# KiCad board poly_kb_wave_right2.kicad_pcb (continued)
## Routing (per net, layer and track width the routed paths; a pad name or vN(x,y) marks a point on that pad's centre or on a via; arc(x,y) is an arc through that point) (continued)
/K_B7/C2N: length 6.1
  Bottom w0.3: J36.3 155.9,38.19 155.53,37.81 153.14,37.81 152.02,38.92 C5_36.2
/K_B7/C2P: length 4.3
  Bottom w0.3: C5_36.1 152.98,38.73 153.43,38.28 155.36,38.28 155.4,38.33 J36.2
/K_B7/CS: length 88.5
  Top w0.3: v2(158.22,39.97) 165.84,39.97 v2(166.6,39.21) ; v2(94.81,24.49) 146.49,24.49 150.5,28.5 150.5,35.1 152.6,37.2 v2(157.4,37.2)
  In1.Cu w0.3: v2(158.22,39.97) 157.4,39.15 v2(157.4,37.2)
  Bottom w0.3: v2(94.81,24.49) 94.39,24.07 U8.7 ; R1_36.2 v2(166.6,39.21) ; J36.8 158.4,39.78 v2(158.22,39.97)
/K_B7/LED_DIN: length 188.1
  Top w0.3: v2(167.67,39.1) 167.72,39.1 166.03,40.79 LED36.4 ; LED22.2 39.13,51.8 36.6,53.35 32.77,52.43 32.75,52.43 v2(31.22,50.91)
  In1.Cu w0.3: v2(31.22,50.91) 31.06,50.74 31.06,49.67 33.92,46.81 36.46,36.91 47.32,26.04 55.68,26.04 58.38,23.34 84.72,23.34 87.02,25.65 107.16,25.65 111.56,21.25 162.44,21.25 167.67,26.47 v2(167.67,39.1)
/K_B7/VCOMH: length 5.2
  Bottom w0.3: C4_36.1 164.06,42.06 162.78,40.78 162,40.78 160.9,39.68 J36.13
/K_B8/C1N: length 5.3
  Bottom w0.3: J29.5 15.02,45.21 13.73,45.81 11.42,44.97 C6_29.2
/K_B8/C1P: length 5.9
  Bottom w0.3: C6_29.1 10.07,44.53 10.71,44.23 13.71,45.32 14.59,44.91 J29.4
/K_B8/C2N: length 6.1
  Bottom w0.3: J29.3 14.62,43.37 14.39,42.89 12.15,42.07 10.72,42.74 C5_29.2
/K_B8/C2P: length 4.3
  Bottom w0.3: C5_29.1 11.69,42.88 12.26,42.61 14.07,43.27 14.1,43.33 J29.2
/K_B8/CS: length 99.4
  Top w0.3: v2(16.18,45.84) 23.35,48.45 v2(24.32,47.99)
  In1.Cu w0.3: v2(24.32,47.99) 30.27,42.04 v2(38.8,16.91)
  Bottom w0.3: R1_29.2 v2(24.32,47.99) ; v2(38.8,16.91) 40.49,15.22 42.58,14.48 55.9,17.81 86.16,17.81 89.35,21 89.35,21.81 ; v2(16.18,45.84) 16.42,45.73 J29.8
/K_B8/VCOMH: length 5.2
  Bottom w0.3: C4_29.1 20.96,49.8 20.2,48.16 19.46,47.89 18.81,46.49 J29.13
/K_B/C1N: length 5.3
  Bottom w0.3: J27.5 137.85,58.82 136.85,59.83 134.39,59.83 C6_27.2
/K_B/C1P: length 5.9
  Bottom w0.3: J27.4 137.35,58.69 136.66,59.38 133.48,59.38 132.97,59.88 C6_27.1
/K_B/C2N: length 6.1
  Bottom w0.3: C5_27.2 132.97,57.97 134.09,56.86 136.48,56.86 136.85,57.24 J27.3
/K_B/C2P: length 4.3
  Bottom w0.3: C5_27.1 133.93,57.78 134.38,57.33 136.31,57.33 136.35,57.38 J27.2
/K_B/CS: length 79.1
  Top w0.3: v2(139.17,59.02) 146.79,59.02 v2(147.55,58.26)
  In1.Cu w0.3: v2(130.5,29.31) 130.5,55.8 133.72,59.02 v2(139.17,59.02)
  Bottom w0.3: R1_27.2 v2(147.55,58.26) ; v2(139.17,59.02) 139.35,58.83 J27.8 ; 102.15,24.16 102.15,24.93 105.1,27.88 112.33,27.88 113.68,26.53 127.73,26.53 v2(130.5,29.31)
/K_B/LED_DIN: length 22.2
  Top w0.3: LED28.2 161.27,58.06 159.17,60.16 154.02,60.16 153.33,59.47 147.36,59.47 146.99,59.84 LED27.4
/K_B/LED_DOUT: length 17.8
  Top w0.3: LED27.2 137.45,58.06 135.36,60.16 129.87,60.16 127.8,62.23 LED26.4
/K_B/VCOMH: length 5.2
  Bottom w0.3: J27.13 141.85,58.73 142.95,59.83 143.73,59.83 145.01,61.11 C4_27.1
/K_C/C1N: length 5.3
  Bottom w0.3: J25.5 99.75,63.59 98.75,64.59 96.29,64.59 C6_25.2
/K_C/C1P: length 5.9
  Bottom w0.3: C6_25.1 94.87,64.64 95.38,64.14 98.56,64.14 99.25,63.45 J25.4
/K_C/C2N: length 6.1
  Bottom w0.3: C5_25.2 94.87,62.74 95.99,61.62 98.38,61.62 98.75,62 J25.3
/K_C/C2P: length 4.3
  Bottom w0.3: C5_25.1 95.83,62.54 96.28,62.09 98.21,62.09 98.25,62.14 J25.2
/K_C/CS: length 61.9
  Top w0.3: v2(109.45,63.02) 108.69,63.78 v2(101.07,63.78)
  In1.Cu w0.3: v2(92.8,36) 92.8,42.91 94.5,44.6 94.5,62.22 96.06,63.78 v2(101.07,63.78)
  Bottom w0.3: J25.8 101.25,63.59 v2(101.07,63.78) ; 101.15,24.16 101.15,27 98.7,29.46 95.35,29.46 92.8,32 v2(92.8,36) ; R1_25.2 v2(109.45,63.02)
/K_C/LED_DIN: length 17.8
  Top w0.3: LED25.4 108.75,64.61 110.82,62.54 116.31,62.54 118.4,60.45 LED26.2
/K_C/LED_DOUT: length 18.1
  Top w0.3: LED25.2 99.35,62.83 97.26,64.92 90.75,64.92 88.05,62.23 LED24.4
/K_C/VCOMH: length 5.2
  Bottom w0.3: J25.13 103.75,63.49 104.85,64.59 105.63,64.59 106.91,65.87 C4_25.1
/K_D/C1N: length 5.3
  Bottom w0.3: C6_18.2 96.29,83.64 98.75,83.64 99.75,82.64 J18.5
/K_D/C1P: length 5.9
  Bottom w0.3: C6_18.1 94.87,83.69 95.38,83.19 98.56,83.19 99.25,82.5 J18.4
/K_D/C2N: length 6.1
  Bottom w0.3: J18.3 98.75,81.05 98.38,80.67 95.99,80.67 94.87,81.79 C5_18.2
/K_D/C2P: length 4.3
  Bottom w0.3: J18.2 98.25,81.19 98.21,81.14 96.28,81.14 95.83,81.59 C5_18.1
/K_D/CS: length 64.3
  Top w0.3: v2(109.45,82.07) 108.69,82.83 v2(101.07,82.83)
  In1.Cu w0.3: v2(109.45,82.07) 109.61,81.91 v2(109.61,69.15)
  Bottom w0.3: v2(109.61,69.15) 109.86,68.91 128.84,68.91 131.29,66.46 146.24,66.46 147.24,65.45 148.91,65.45 ; J18.8 101.25,82.64 v2(101.07,82.83) ; R1_18.2 v2(109.45,82.07)
/K_D/LED_DIN: length 17.8
  Top w0.3: LED18.4 108.75,83.66 110.82,81.59 116.31,81.59 118.4,79.5 LED19.2
/K_D/LED_DOUT: length 18.1
  Top w0.3: 83.42,81.28 87.92,81.28 90.62,83.97 97.26,83.97 99.35,81.88 LED18.2
/K_D/VCOMH: length 5.2
  Bottom w0.3: C4_18.1 106.91,84.92 105.63,83.64 104.85,83.64 103.75,82.54 J18.13
/K_E/C1N: length 5.3
  Bottom w0.3: J11.5 99.75,101.69 98.75,102.69 96.29,102.69 C6_11.2
/K_E/C1P: length 5.9
  Bottom w0.3: J11.4 99.25,101.55 98.56,102.24 95.38,102.24 94.87,102.74 C6_11.1
/K_E/C2N: length 6.1
  Bottom w0.3: J11.3 98.75,100.1 98.38,99.72 95.99,99.72 94.87,100.84 C5_11.2
/K_E/C2P: length 4.3
  Bottom w0.3: J11.2 98.25,100.24 98.21,100.19 96.28,100.19 95.83,100.64 C5_11.1
/K_E/CS: length 58.8
  Top w0.3: v2(109.74,97.32) 110.76,96.3 116.65,96.3 118.76,94.19 120.33,94.19 121.73,92.8 125.62,92.8 132.88,85.54 147.14,85.54 v2(147.65,86.05) ; v2(109.45,101.12) 108.69,101.88 v2(101.07,101.88)
  In1.Cu w0.3: v2(109.74,97.32) 109.74,100.83 v2(109.45,101.12)
  Bottom w0.3: v2(147.65,86.05) 147.8,86.2 148.97,86.2 ; J11.8 101.25,101.69 v2(101.07,101.88) ; R1_11.2 v2(109.45,101.12)
/K_E/LED_DIN: length 17.8
  Top w0.3: LED12.2 118.4,98.55 116.31,100.64 110.82,100.64 108.75,102.71 LED11.4
/K_E/LED_DOUT: length 18.1
  Top w0.3: LED10.4 88.07,100.33 90.77,103.02 97.26,103.02 99.35,100.93 LED11.2
/K_E/VCOMH: length 5.2
  Bottom w0.3: J11.13 103.75,101.59 104.85,102.69 105.63,102.69 106.91,103.97 C4_11.1
/K_F/C1N: length 5.3
  Bottom w0.3: J19.5 118.8,80.26 117.8,81.26 115.34,81.26 C6_19.2
/K_F/C1P: length 5.9
  Bottom w0.3: C6_19.1 113.92,81.31 114.43,80.81 117.61,80.81 118.3,80.12 J19.4
/K_F/C2N: length 6.1
  Bottom w0.3: J19.3 117.8,78.67 117.43,78.29 115.04,78.29 113.92,79.41 C5_19.2
/K_F/C2P: length 4.3
  Bottom w0.3: J19.2 117.3,78.81 117.26,78.76 115.33,78.76 114.88,79.21 C5_19.1
/K_F/CS: length 40
  Top w0.3: v2(147.52,66.08) 146.28,67.32 143.22,67.32 141.97,68.57 141.97,70.04 140.04,71.97 138.47,71.97 135.19,75.25 v2(128.69,75.25) ; v2(120.12,80.45) 127.74,80.45 v2(128.5,79.69)
  In1.Cu w0.3: v2(128.5,79.69) 128.69,79.5 v2(128.69,75.25)
  Bottom w0.3: 148.91,65.95 147.65,65.95 v2(147.52,66.08) ; J19.8 120.3,80.26 v2(120.12,80.45) ; R1_19.2 v2(128.5,79.69)
/K_F/LED_DIN: length 17.8
  Top w0.3: LED20.2 137.45,77.11 135.36,79.21 129.87,79.21 127.8,81.28 121.52,81.28
/K_F/VCOMH: length 5.2
  Bottom w0.3: J19.13 122.8,80.16 123.9,81.26 124.68,81.26 125.96,82.54 C4_19.1
/K_G/C1N: length 5.3
  Bottom w0.3: C6_20.2 134.39,78.88 136.85,78.88 137.85,77.87 J20.5
/K_G/C1P: length 5.9
  Bottom w0.3: J20.4 137.35,77.74 136.66,78.43 133.48,78.43 132.97,78.93 C6_20.1
/K_G/C2N: length 6.1
  Bottom w0.3: J20.3 136.85,76.29 136.48,75.91 134.09,75.91 132.97,77.02 C5_20.2
/K_G/C2P: length 4.3
  Bottom w0.3: J20.2 136.35,76.43 136.31,76.38 134.38,76.38 133.93,76.83 C5_20.1
/K_G/CS: length 26
  Top w0.3: v2(148.76,72.46) 148.76,72.91 143.6,78.07 v2(139.17,78.07)
  Bottom w0.3: v2(148.76,72.46) 148.76,71.16 144.69,67.09 R1_20.2 147.37,67.09 148,66.46 148.91,66.46 ; J20.8 139.35,77.88 v2(139.17,78.07)
/K_G/LED_DIN: length 24.3
  Top w0.3: LED21.2 161.27,77.11 159.17,79.21 156.05,79.21 153.18,82.08 147.74,82.08 144.56,78.89 LED20.4
/K_G/VCOMH: length 5.2
  Bottom w0.3: J20.13 141.85,77.78 142.95,78.88 143.73,78.88 145.01,80.16 C4_20.1
/K_L1/C1N: length 5.3
  Bottom w0.3: C6_1.2 39.14,116.98 41.6,116.98 42.6,115.97 J1.5
/K_L1/C1P: length 5.9
  Bottom w0.3: J1.4 42.1,115.84 41.41,116.53 38.23,116.53 37.72,117.03 C6_1.1
/K_L1/C2N: length 6.1
  Bottom w0.3: J1.3 41.6,114.39 41.23,114.01 38.84,114.01 37.72,115.12 C5_1.2
/K_L1/C2P: length 4.3
  Bottom w0.3: C5_1.1 38.68,114.93 39.13,114.48 41.06,114.48 41.1,114.53 J1.2
/K_L1/CS: length 129.4
  Top w0.3: v2(52.3,115.41) 51.54,116.17 v2(43.92,116.17) ; v2(144.7,105.56) 147.25,105.56 149,103.81 149,101.85 150.1,100.75 v2(152,100.75) ; v2(142.3,108.85) 141.11,110.04 139.18,110.04 136.34,112.89 124.63,112.89 124.27,112.53 119.95,112.53 117.08,115.4 112.26,115.4 106.18,109.33 90.63,109.33 88.18,106.88 72.04,106.88 68.69,110.22 62.47,110.22 59.65,113.04 v2(52.46,113.04)
  In1.Cu w0.3: v2(52.46,113.04) 52.25,113.25 52.25,115.36 v2(52.3,115.41)
  Bottom w0.3: v2(144.7,105.56) 144.5,105.35 143.36,105.35 142.3,106.41 v2(142.3,108.85) ; 151.3,101.95 151.6,101.95 152,101.56 v2(152,100.75) ; R1_1.2 v2(52.3,115.41) ; v2(43.92,116.17) 44.1,115.98 J1.8
/K_L1/LED_DOUT: length 134.1
  Top w0.3: LED1.2 42.39,111.59 43.97,110 49.93,110 55.82,104.11 75.07,104.11 76.23,102.95 88.13,102.95 90.05,104.88 v2(91.1,104.88) ; v2(149.46,99.97) 163.47,99.97 164.38,99.06 LED14.4
  Bottom w0.3: v2(91.1,104.88) 92.03,104.88 92.74,105.58 111.41,105.58 113.74,103.25 128.69,103.25 130.19,101.76 132.62,101.76 133.61,100.76 145.92,100.76 146.62,100.06 149.36,100.06 v2(149.46,99.97)
/K_L1/VCOMH: length 5.2
  Bottom w0.3: C4_1.1 49.76,118.26 48.48,116.98 47.7,116.98 46.6,115.88 J1.13
/K_L2/C1N: length 5.3
  Bottom w0.3: C6_8.2 39.14,97.93 41.6,97.93 42.6,96.92 J8.5
/K_L2/C1P: length 5.9
  Bottom w0.3: C6_8.1 37.72,97.98 38.23,97.48 41.41,97.48 42.1,96.79 J8.4
/K_L2/C2N: length 6.1
  Bottom w0.3: J8.3 41.6,95.34 41.23,94.96 38.84,94.96 37.72,96.07 C5_8.2
/K_L2/C2P: length 4.3
  Bottom w0.3: J8.2 41.1,95.48 41.06,95.43 39.13,95.43 38.68,95.88 C5_8.1
/K_L2/CS: length 125.8
  Top w0.3: v2(151.35,84.91) 150.4,83.95 v2(150.2,83.95) ; v2(43.92,97.12) 51.54,97.12 v2(52.3,96.36)
  In1.Cu w0.3: v2(52.39,86.27) 52.91,86.79 52.91,95.75 v2(52.3,96.36)
  Bottom w0.3: v2(151.35,84.91) 151.35,85.57 U5.15 ; v2(150.2,83.95) 150.15,84 147.15,84 146.15,85.01 129.42,85.01 126.88,87.55 109.66,87.55 107.45,89.76 90.07,89.76 87.78,87.47 70.63,87.47 68.64,85.48 53.18,85.48 v2(52.39,86.27) ; v2(43.92,97.12) 44.1,96.93 J8.8 ; R1_8.2 v2(52.3,96.36)
/K_L2/LED_DIN: length 16.9
  Top w0.3: LED9.2 61.25,96.16 60.47,96.95 52.6,96.95 51.6,97.94 LED8.4
/K_L2/LED_DOUT: length 163.4
  Top w0.3: LED8.2 42.39,92.63 44.02,90.99 51.76,90.99 57.75,85 71.14,85 73.74,87.6 93.06,87.6 95.26,89.8 109.35,89.8 111.85,87.3 128.76,87.3 v2(134.51,81.55) ; v2(173.77,77.45) 172.96,78.27 171.29,78.27 170.66,78.89 LED21.4
  In2.Cu w0.3: v2(134.51,81.55) 134.51,79.64 137.29,76.86 142.17,76.86 145.89,73.14 155.12,73.14 157.28,75.3 160.12,75.3 163.48,71.94 169.57,71.94 173.77,76.14 v2(173.77,77.45)
/K_L2/VCOMH: length 5.2
  Bottom w0.3: C4_8.1 49.76,99.21 48.48,97.93 47.7,97.93 46.6,96.83 J8.13
/K_L3/C1N: length 5.3
  Bottom w0.3: C6_15.2 39.14,78.88 41.6,78.88 42.6,77.87 J15.5
/K_L3/C1P: length 5.9
  Bottom w0.3: C6_15.1 37.72,78.93 38.23,78.43 41.41,78.43 42.1,77.74 J15.4
/K_L3/C2N: length 6.1
  Bottom w0.3: C5_15.2 37.72,77.02 38.84,75.91 41.23,75.91 41.6,76.29 J15.3
/K_L3/C2P: length 4.3
  Bottom w0.3: C5_15.1 38.68,76.83 39.13,76.38 41.06,76.38 41.1,76.43 J15.2
/K_L3/CS: length 128.7
  Top w0.3: v2(52.27,77.33) 51.54,78.07 v2(43.92,78.07) ; v2(151.2,62.25) 151.15,62.2 v2(149.05,62.2)
  In1.Cu w0.3: v2(52.59,66.51) 52.25,66.85 52.25,77.31 v2(52.27,77.33)
  Bottom w0.3: v2(151.2,62.25) 151.2,64.86 ; R1_15.2 52.25,77.31 v2(52.27,77.33) ; J15.8 44.1,77.88 v2(43.92,78.07) ; v2(52.59,66.51) 52.74,66.36 68.34,66.36 70.55,68.57 87.49,68.57 89.78,70.85 106.95,70.85 106.95,70.8 109.3,68.45 128.65,68.45 131.1,66 146.05,66 147.5,64.55 147.5,63.7 149,62.2 v2(149.05,62.2)
/K_L3/LED_DOUT: length 194.2
  Top w0.3: v2(164.37,61.69) 164.38,61.69 LED28.4 ; v2(53.34,61.83) 53.45,61.94 53.45,70.11 51.76,71.8 44.51,71.8 42.39,73.93 LED15.2
  In1.Cu w0.3: v2(164.37,61.69) 164.37,58.55 162.11,56.28 156.65,56.28 154.46,54.09 154.46,40.03 151.7,37.27 151.7,29.44 152.04,29.1 152.04,23.75 150.05,21.75 111.78,21.75 107.38,26.16 87.9,26.16 85.99,28.06 83.63,28.06 v2(83.6,28.03)
  In2.Cu w0.3: v2(53.34,61.83) 53.54,61.83 62.38,52.99 68.07,52.99 76.67,44.39 76.67,34.97 v2(83.6,28.03)
/K_L3/VCOMH: length 5.2
  Bottom w0.3: J15.13 46.6,77.78 47.7,78.88 48.48,78.88 49.76,80.16 C4_15.1
/K_L4/C1N: length 5.3
  Bottom w0.3: J22.5 39.34,52.63 38.13,53.38 35.74,52.8 C6_22.2
/K_L4/C1P: length 5.9
  Bottom w0.3: C6_22.1 34.34,52.52 34.95,52.15 38.05,52.89 38.88,52.38 J22.4
/K_L4/C2N: length 6.1
  Bottom w0.3: J22.3 38.74,50.86 38.46,50.4 36.13,49.84 34.79,50.67 C5_22.2
/K_L4/C2P: length 4.3
  Bottom w0.3: J22.2 38.22,50.88 38.18,50.82 36.31,50.37 35.77,50.7 C5_22.1
/K_L4/CS: length 77.6
  Top w0.3: v2(48.9,54.35) 47.98,54.91 v2(40.57,53.13)
  In1.Cu w0.3: v2(58.75,41.31) 50.6,49.46 50.6,52.64 v2(48.9,54.35)
  Bottom w0.3: v2(58.75,41.31) 76.01,41.31 89.77,27.55 93.92,27.55 99.57,21.9 U7.15 ; J22.8 40.79,52.99 v2(40.57,53.13) ; R1_22.2 v2(48.9,54.35)
/K_L4/LED_DIN: length 20.2
  Top w0.3: LED22.4 46.93,55.51 49.35,55.48 51.13,55.48 60.05,57.41 LED23.2
/K_L4/VCOMH: length 5.2
  Bottom w0.3: J22.13 43.25,53.48 44.06,54.8 44.82,54.98 45.76,56.52 C4_22.1
/K_L6/C1N: length 5.3
  Bottom w0.3: 157.75,117.77 158.2,117.31 160.66,117.31 161.67,116.3 J7.5
/K_L6/C1P: length 5.9
  Bottom w0.3: C6_7.1 156.78,117.36 157.29,116.85 160.48,116.85 161.17,116.16 J7.4
/K_L6/C2N: length 6.1
  Bottom w0.3: C5_7.2 156.78,115.45 157.9,114.34 160.29,114.34 160.67,114.71 J7.3
/K_L6/C2P: length 4.3
  Bottom w0.3: 157.75,116.24 157.75,115.25 158.19,114.81 160.12,114.81 160.17,114.85 J7.2
/K_L6/CS: length 35.4
  Top w0.3: v2(162.98,116.5) 170.6,116.5 v2(171.36,115.74)
  In1.Cu w0.3: v2(154.47,107.99) 154.47,110.91 157.52,113.96 160.44,113.96 v2(162.98,116.5)
  Bottom w0.3: v2(162.98,116.5) 163.17,116.31 J7.8 ; R1_7.2 v2(171.36,115.74) ; 148.92,103.96 148.1,103.96 147.6,104.45 147.6,106.6 148.89,107.89 154.38,107.89 v2(154.47,107.99)
/K_L6/VCOMH: length 5.2
  Bottom w0.3: J7.13 165.67,116.21 166.76,117.31 167.54,117.31 168.82,118.58 C4_7.1
/K_L7/C1N: length 5.3
  Bottom w0.3: 157.75,98.39 158.2,97.93 160.66,97.93 161.67,96.92 J14.5
/K_L7/C1P: length 5.9
  Bottom w0.3: J14.4 161.17,96.79 160.48,97.48 157.29,97.48 156.78,97.98 C6_14.1
/K_L7/C2N: length 6.1
  Bottom w0.3: C5_14.2 156.78,96.07 157.9,94.96 160.29,94.96 160.67,95.34 J14.3
/K_L7/C2P: length 4.3
  Bottom w0.3: 157.75,96.86 157.75,95.88 158.19,95.43 160.12,95.43 160.17,95.48 J14.2
/K_L7/CS: length 32.1
  Top w0.3: v2(171.36,96.36) 170.6,97.12 v2(162.98,97.12)
  In1.Cu w0.3: v2(162.98,97.12) 157.6,97.12 154.4,93.92 v2(154.4,92.75)
  Bottom w0.3: J14.8 163.17,96.93 v2(162.98,97.12) ; R1_14.2 v2(171.36,96.36) ; 148.97,87.7 148.33,87.7 147.85,88.18 147.85,89.41 149.7,91.25 152.9,91.25 v2(154.4,92.75)
/K_L7/LED_DOUT: length 22.2
  Top w0.3: LED14.2 161.27,96.16 159.17,98.26 148.81,98.26 148.12,97.57 147.23,97.57 146.86,97.94 LED13.4
/K_L7/VCOMH: length 5.2
  Bottom w0.3: C4_14.1 168.82,99.21 167.54,97.93 166.76,97.93 165.67,96.83 J14.13
/K_L8/C1N: length 5.3
  Bottom w0.3: J21.5 161.67,77.87 160.66,78.88 158.2,78.88 157.75,79.34
/K_L8/C1P: length 5.9
  Bottom w0.3: J21.4 161.17,77.74 160.48,78.43 157.29,78.43 156.78,78.93 C6_21.1
/K_L8/C2N: length 6.1
  Bottom w0.3: C5_21.2 156.78,77.02 157.9,75.91 160.29,75.91 160.67,76.29 J21.3
/K_L8/C2P: length 4.3
  Bottom w0.3: J21.2 160.17,76.43 160.12,76.38 158.19,76.38 157.75,76.83 157.75,77.81
/K_L8/CS: length 32.8
  Top w0.3: v2(171.36,77.31) 170.6,78.07 v2(162.98,78.07) 162.98,76.36 162.09,75.47 157.9,75.47 150.43,68 v2(147.75,68)
  Bottom w0.3: R1_21.2 v2(171.36,77.31) ; v2(147.75,68) 147.75,67.47 148.27,66.96 148.91,66.96 ; v2(162.98,78.07) 163.17,77.88 J21.8
/K_L8/VCOMH: length 5.2
  Bottom w0.3: C4_21.1 168.82,80.16 167.54,78.88 166.76,78.88 165.67,77.78 J21.13
/K_L9/C1N: length 5.3
  Bottom w0.3: J28.5 161.67,58.82 160.66,59.83 158.2,59.83 157.75,60.29
/K_L9/C1P: length 5.9
  Bottom w0.3: C6_28.1 156.78,59.88 157.29,59.38 160.48,59.38 161.17,58.69 J28.4
/K_L9/C2N: length 6.1
  Bottom w0.3: C5_28.2 156.78,57.97 157.9,56.86 160.29,56.86 160.67,57.24 J28.3
/K_L9/C2P: length 4.3
  Bottom w0.3: J28.2 160.17,57.38 160.12,57.33 158.19,57.33 157.75,57.78 157.75,58.76
/K_L9/CS: length 99.1
  Top w0.3: v2(171.36,58.26) 170.6,59.02 v2(162.98,59.02)
  In1.Cu w0.3: v2(162.98,59.02) 158.49,59.02 154.01,54.54 154.01,40.4 151.12,37.5 v2(151.12,29.07)
  Bottom w0.3: R1_28.2 v2(171.36,58.26) ; 102.65,24.16 102.65,24.79 102.73,24.86 105.39,24.86 105.58,24.67 146.72,24.67 v2(151.12,29.07) ; J28.8 163.17,58.83 v2(162.98,59.02)
/K_L9/VCOMH: length 5.2
  Bottom w0.3: C4_28.1 168.82,61.11 167.54,59.83 166.76,59.83 165.67,58.73 J28.13
/K_Q/C1N: length 5.3
  Bottom w0.3: J9.5 61.65,96.92 60.65,97.93 58.19,97.93 C6_9.2
/K_Q/C1P: length 5.9
  Bottom w0.3: C6_9.1 56.77,97.98 57.28,97.48 60.46,97.48 61.15,96.79 J9.4
/K_Q/C2N: length 6.1
  Bottom w0.3: C5_9.2 56.77,96.07 57.89,94.96 60.28,94.96 60.65,95.34 J9.3
/K_Q/C2P: length 4.3
  Bottom w0.3: J9.2 60.15,95.48 60.11,95.43 58.18,95.43 57.73,95.88 C5_9.1
/K_Q/CS: length 100.3
  Top w0.3: v2(71.35,96.36) 70.59,97.12 v2(62.97,97.12)
  In1.Cu w0.3: v2(71.35,96.36) 71.35,89.81 v2(72.3,88.85)
  Bottom w0.3: J9.8 63.15,96.93 v2(62.97,97.12) ; v2(72.3,88.85) 73.24,87.92 87.52,87.92 89.8,90.21 107.79,90.21 110,88 127.06,88 129.48,85.58 146.21,85.58 147.29,84.51 149.71,84.51 149.91,84.71 149.91,85.25 ; R1_9.2 v2(71.35,96.36)
/K_Q/LED_DIN: length 18.1
  Top w0.3: 80.49,98.55 80.3,98.55 78.21,100.64 72.27,100.64 69.57,97.94 LED9.4
/K_Q/VCOMH: length 5.2
  Bottom w0.3: C4_9.1 68.81,99.21 67.53,97.93 66.75,97.93 65.65,96.83 J9.13
/K_R/C1N: length 5.3
  Bottom w0.3: 118.8,98.51 118.8,99.31 117.8,100.31 115.34,100.31 C6_12.2
/K_R/C1P: length 5.9
  Bottom w0.3: C6_12.1 113.92,100.36 114.43,99.86 117.61,99.86 118.3,99.17 118.3,98.51
/K_R/C2N: length 6.1
  Bottom w0.3: C5_12.2 113.92,98.46 115.04,97.34 117.43,97.34 117.8,97.72 117.8,98.51
/K_R/C2P: length 4.3
  Bottom w0.3: 117.3,98.51 117.3,97.86 117.26,97.81 115.33,97.81 114.88,98.26 C5_12.1
/K_R/CS: length 38.8
  Top w0.3: v2(142.33,87.5) 142.33,89.29 139.87,91.76 138.22,91.76 135.8,94.17 130.01,94.17 v2(128.79,95.39) ; v2(120.12,99.5) 127.74,99.5 v2(128.5,98.74)
  In1.Cu w0.3: v2(128.79,95.39) 128.79,98.45 v2(128.5,98.74)
  Bottom w0.3: v2(120.12,99.5) 120.3,99.31 120.3,98.51 ; 148.97,86.7 143.13,86.7 v2(142.33,87.5) ; R1_12.2 v2(128.5,98.74)
/K_R/LED_DIN: length 17.8
  Top w0.3: LED12.4 127.8,100.33 129.87,98.26 135.36,98.26 137.45,96.16 LED13.2
/K_R/VCOMH: length 5.2
  Bottom w0.3: 122.8,98.51 122.8,99.21 123.9,100.31 124.68,100.31 125.96,101.59 C4_12.1
/K_S/C1N: length 5.3
  Bottom w0.3: J17.5 80.7,80.26 79.7,81.26 77.24,81.26 C6_17.2
/K_S/C1P: length 5.9
  Bottom w0.3: C6_17.1 75.82,81.31 76.33,80.81 79.51,80.81 80.2,80.12 J17.4
/K_S/C2N: length 6.1
  Bottom w0.3: J17.3 79.7,78.67 79.33,78.29 76.94,78.29 75.82,79.41 C5_17.2
/K_S/C2P: length 4.3
  Bottom w0.3: C5_17.1 76.78,79.21 77.23,78.76 79.16,78.76 79.2,78.81 J17.2
/K_S/CS: length 80.4
  Top w0.3: v2(90.69,72.35) 91.73,71.31 109.41,71.31 111.8,68.92 127.45,68.92 129.76,66.61 144.75,66.61 147.2,64.16 v2(148.15,64.16) ; v2(82.02,80.45) 89.64,80.45 v2(90.4,79.69)
  In1.Cu w0.3: v2(90.69,72.35) 90.35,72.69 90.35,79.64 v2(90.4,79.69)
  Bottom w0.3: v2(82.02,80.45) 82.2,80.26 J17.8 ; U6.2 149.04,64.54 148.65,64.16 v2(148.15,64.16) 148.15,64.2 ; R1_17.2 v2(90.4,79.69)
/K_S/VCOMH: length 5.2
  Bottom w0.3: C4_17.1 87.86,82.54 86.58,81.26 85.8,81.26 84.7,80.16 J17.13
/K_T/C1N: length 5.3
  Bottom w0.3: C6_13.2 134.39,97.93 136.85,97.93 137.85,96.92 J13.5
/K_T/C1P: length 5.9
  Bottom w0.3: J13.4 137.35,96.79 136.66,97.48 133.48,97.48 132.97,97.98 C6_13.1
/K_T/C2N: length 6.1
  Bottom w0.3: C5_13.2 132.97,96.07 134.09,94.96 136.48,94.96 136.85,95.34 J13.3
/K_T/C2P: length 4.3
  Bottom w0.3: J13.2 136.35,95.48 136.31,95.43 134.38,95.43 133.93,95.88 C5_13.1
/K_T/CS: length 22
  Top w0.3: v2(147.55,96.36) 146.79,97.12 v2(139.17,97.12)
  In1.Cu w0.3: v2(147.7,87.35) 147.65,87.41 147.65,88.3 148.96,89.61 148.96,94.95 v2(147.55,96.36)
  Bottom w0.3: J13.8 139.35,96.93 v2(139.17,97.12) ; 148.97,87.2 147.85,87.2 v2(147.7,87.35) ; R1_13.2 v2(147.55,96.36)
/K_T/VCOMH: length 5.2
  Bottom w0.3: C4_13.1 145.01,99.21 143.73,97.93 142.95,97.93 141.85,96.83 J13.13
/K_V/C1N: length 5.3
  Bottom w0.3: C6_26.2 115.34,62.21 117.8,62.21 118.8,61.21 J26.5
/K_V/C1P: length 5.9
  Bottom w0.3: J26.4 118.3,61.07 117.61,61.76 114.43,61.76 113.92,62.26 C6_26.1
/K_V/C2N: length 6.1
  Bottom w0.3: J26.3 117.8,59.62 117.43,59.24 115.04,59.24 113.92,60.36 C5_26.2
/K_V/C2P: length 4.3
  Bottom w0.3: C5_26.1 114.88,60.16 115.33,59.71 117.26,59.71 117.3,59.76 J26.2
/K_V/CS: length 58.5
  Top w0.3: v2(128.5,60.64) 127.74,61.4 v2(120.12,61.4)
  In1.Cu w0.3: v2(109.8,32.1) 109.8,41.41 111.9,43.5 111.9,57.41 115.9,61.4 v2(120.12,61.4)
  Bottom w0.3: 101.65,24.16 101.65,25.07 108.69,32.1 v2(109.8,32.1) ; J26.8 120.3,61.21 v2(120.12,61.4) ; R1_26.2 v2(128.5,60.64)
/K_V/VCOMH: length 5.2
  Bottom w0.3: C4_26.1 125.96,63.49 124.68,62.21 123.9,62.21 122.8,61.11 J26.13
/K_W/C1N: length 5.3
  Bottom w0.3: C6_10.2 77.24,100.31 79.7,100.31 80.7,99.31 80.7,98.51
/K_W/C1P: length 5.9
  Bottom w0.3: 80.2,98.51 80.2,99.17 79.51,99.86 76.33,99.86 75.82,100.36 C6_10.1
/K_W/C2N: length 6.1
  Bottom w0.3: 79.7,98.51 79.7,97.72 79.33,97.34 76.94,97.34 75.82,98.46 C5_10.2
/K_W/C2P: length 4.3
  Bottom w0.3: C5_10.1 76.78,98.26 77.23,97.81 79.16,97.81 79.2,97.86 79.2,98.51
/K_W/CS: length 79
  Top w0.3: v2(90.4,98.74) 89.64,99.5 v2(82.02,99.5) ; v2(147.8,85.16) 147.68,85.03 132.55,85.03 129.66,87.93 111.87,87.93 109.54,90.26 92.17,90.26 v2(90.62,91.81)
  In1.Cu w0.3: v2(90.62,91.81) 90.45,91.97 90.45,98.68 v2(90.4,98.74)
  Bottom w0.3: v2(147.8,85.16) 147.85,85.16 148.4,85.7 148.97,85.7 ; 82.2,98.51 82.2,99.31 v2(82.02,99.5) ; R1_10.2 v2(90.4,98.74)
/K_W/VCOMH: length 5.2
  Bottom w0.3: 84.7,98.51 84.7,99.21 85.8,100.31 86.58,100.31 87.86,101.59 C4_10.1
/K_X/C1N: length 5.3
  Bottom w0.3: C6_24.2 77.24,62.21 79.7,62.21 80.7,61.21 J24.5
/K_X/C1P: length 5.9
  Bottom w0.3: J24.4 80.2,61.07 79.51,61.76 76.33,61.76 75.82,62.26 C6_24.1
/K_X/C2N: length 6.1
  Bottom w0.3: J24.3 79.7,59.62 79.33,59.24 76.94,59.24 75.82,60.36 C5_24.2
/K_X/C2P: length 4.3
  Bottom w0.3: J24.2 79.2,59.76 79.16,59.71 77.23,59.71 76.78,60.16 C5_24.1
/K_X/CS: length 54.8
  Top w0.3: v2(82.02,61.4) 89.64,61.4 v2(90.4,60.64)
  In1.Cu w0.3: v2(90.4,60.64) 90.4,60.63 90.4,44.2 89.7,43.5 v2(89.7,36.8)
  Bottom w0.3: J24.8 82.2,61.21 v2(82.02,61.4) ; 100.65,24.16 100.65,26.7 98.35,29.01 93.3,29.01 89.75,32.55 89.75,36.75 v2(89.7,36.8) ; R1_24.2 v2(90.4,60.64)
/K_X/LED_DOUT: length 18.1
  Top w0.3: 80.49,60.45 80.3,60.45 78.21,62.54 71.64,62.54 68.94,59.84 LED23.4
/K_X/VCOMH: length 5.2
  Bottom w0.3: J24.13 84.7,61.11 85.8,62.21 86.58,62.21 87.86,63.49 C4_24.1
/K_Z/C1N: length 5.3
  Bottom w0.3: C6_23.2 58.19,59.83 60.65,59.83 61.65,58.82 J23.5
/K_Z/C1P: length 5.9
  Bottom w0.3: J23.4 61.15,58.69 60.46,59.38 57.28,59.38 56.77,59.88 C6_23.1
/K_Z/C2N: length 6.1
  Bottom w0.3: C5_23.2 56.77,57.97 57.89,56.86 60.28,56.86 60.65,57.24 J23.3
/K_Z/C2P: length 4.3
  Bottom w0.3: J23.2 60.15,57.38 60.11,57.33 58.18,57.33 57.73,57.78 C5_23.1
/K_Z/CS: length 68.8
  Top w0.3: v2(62.97,59.02) 70.59,59.02 v2(71.35,58.26)
  In1.Cu w0.3: v2(71.35,58.26) 71.4,58.2 71.4,47.1 v2(71.6,46.91)
  Bottom w0.3: J23.8 63.15,58.83 v2(62.97,59.02) ; v2(71.6,46.91) 73.1,45.41 84.3,45.41 87.1,42.6 87.1,31.7 90.25,28.56 98.05,28.56 100.1,26.5 100.1,23.2 100.34,23.2 ; R1_23.2 v2(71.35,58.26)
/K_Z/VCOMH: length 5.2
  Bottom w0.3: J23.13 65.65,58.73 66.75,59.83 67.53,59.83 68.81,61.11 C4_23.1
/RpPico/GPIO6: length 18.5
  In1.Cu w0.229: v3(30.29,118.06) 30.29,107.83 26.42,103.96 v3(26.22,103.96)
  Bottom w0.229: v3(30.29,118.06) 30.98,118.75 30.98,119.31 ; U10.8 26.1,104.08 v3(26.22,103.96)
/RpPico/GPIO7: length 19.9
  In1.Cu w0.229: v3(32.04,118.76) 30.75,117.48 30.75,107.54 v3(26.68,103.47)
  Bottom w0.229: U10.9 25.72,103.68 25.93,103.47 v3(26.68,103.47) ; v3(32.04,118.76) R2.1
/RpPico/GPIO24: length 9
  Bottom w0.229: R15.1 17.8,109.23 16.9,108.33 R8.2 15.68,106.97 15.68,105.47 16.76,104.39 17.36,104.39 17.46,104.48 U10.36
/RpPico/QSPI_SCLK: length 8.6
  Bottom w0.229: U9.6 26.22,112.68 25.48,112.68 24.75,111.95 arc(24.66,111.92) 24.58,111.95 arc(24.49,111.99) 24.4,111.95 24.15,111.71 arc(24.12,111.62) 24.15,111.53 24.59,111.09 arc(24.68,110.88) 24.59,110.66 arc(24.38,110.58) 24.17,110.66 24.03,110.81 arc(23.82,110.89) 23.6,110.81 22.75,109.95 U10.52
/RpPico/QSPI_SD0: length 8.7
  Bottom w0.229: 25.78,110.16 25.78,110.15 25.78,109.56 arc(25.69,109.34) 25.48,109.25 25.4,109.25 arc(25.19,109.34) 25.1,109.56 25.1,109.85 arc(25.02,110.07) 24.8,110.16 arc(24.59,110.07) 24.5,109.85 24.5,109.45 ; 25.78,110.16 U9.5 ; 25.78,110.16 25.78,109.86 ; 23.7,109.56 23.3,109.56 23.15,109.41 U10.53 ; 24.5,109.41 arc(24.46,109.3) 24.35,109.25 24.05,109.25 arc(23.95,109.3) 23.9,109.41 arc(23.86,109.51) 23.75,109.56
